# Altium PCB HW_RV_TOUCH_R1M1.PcbDoc (part 2 of 5) (continued)
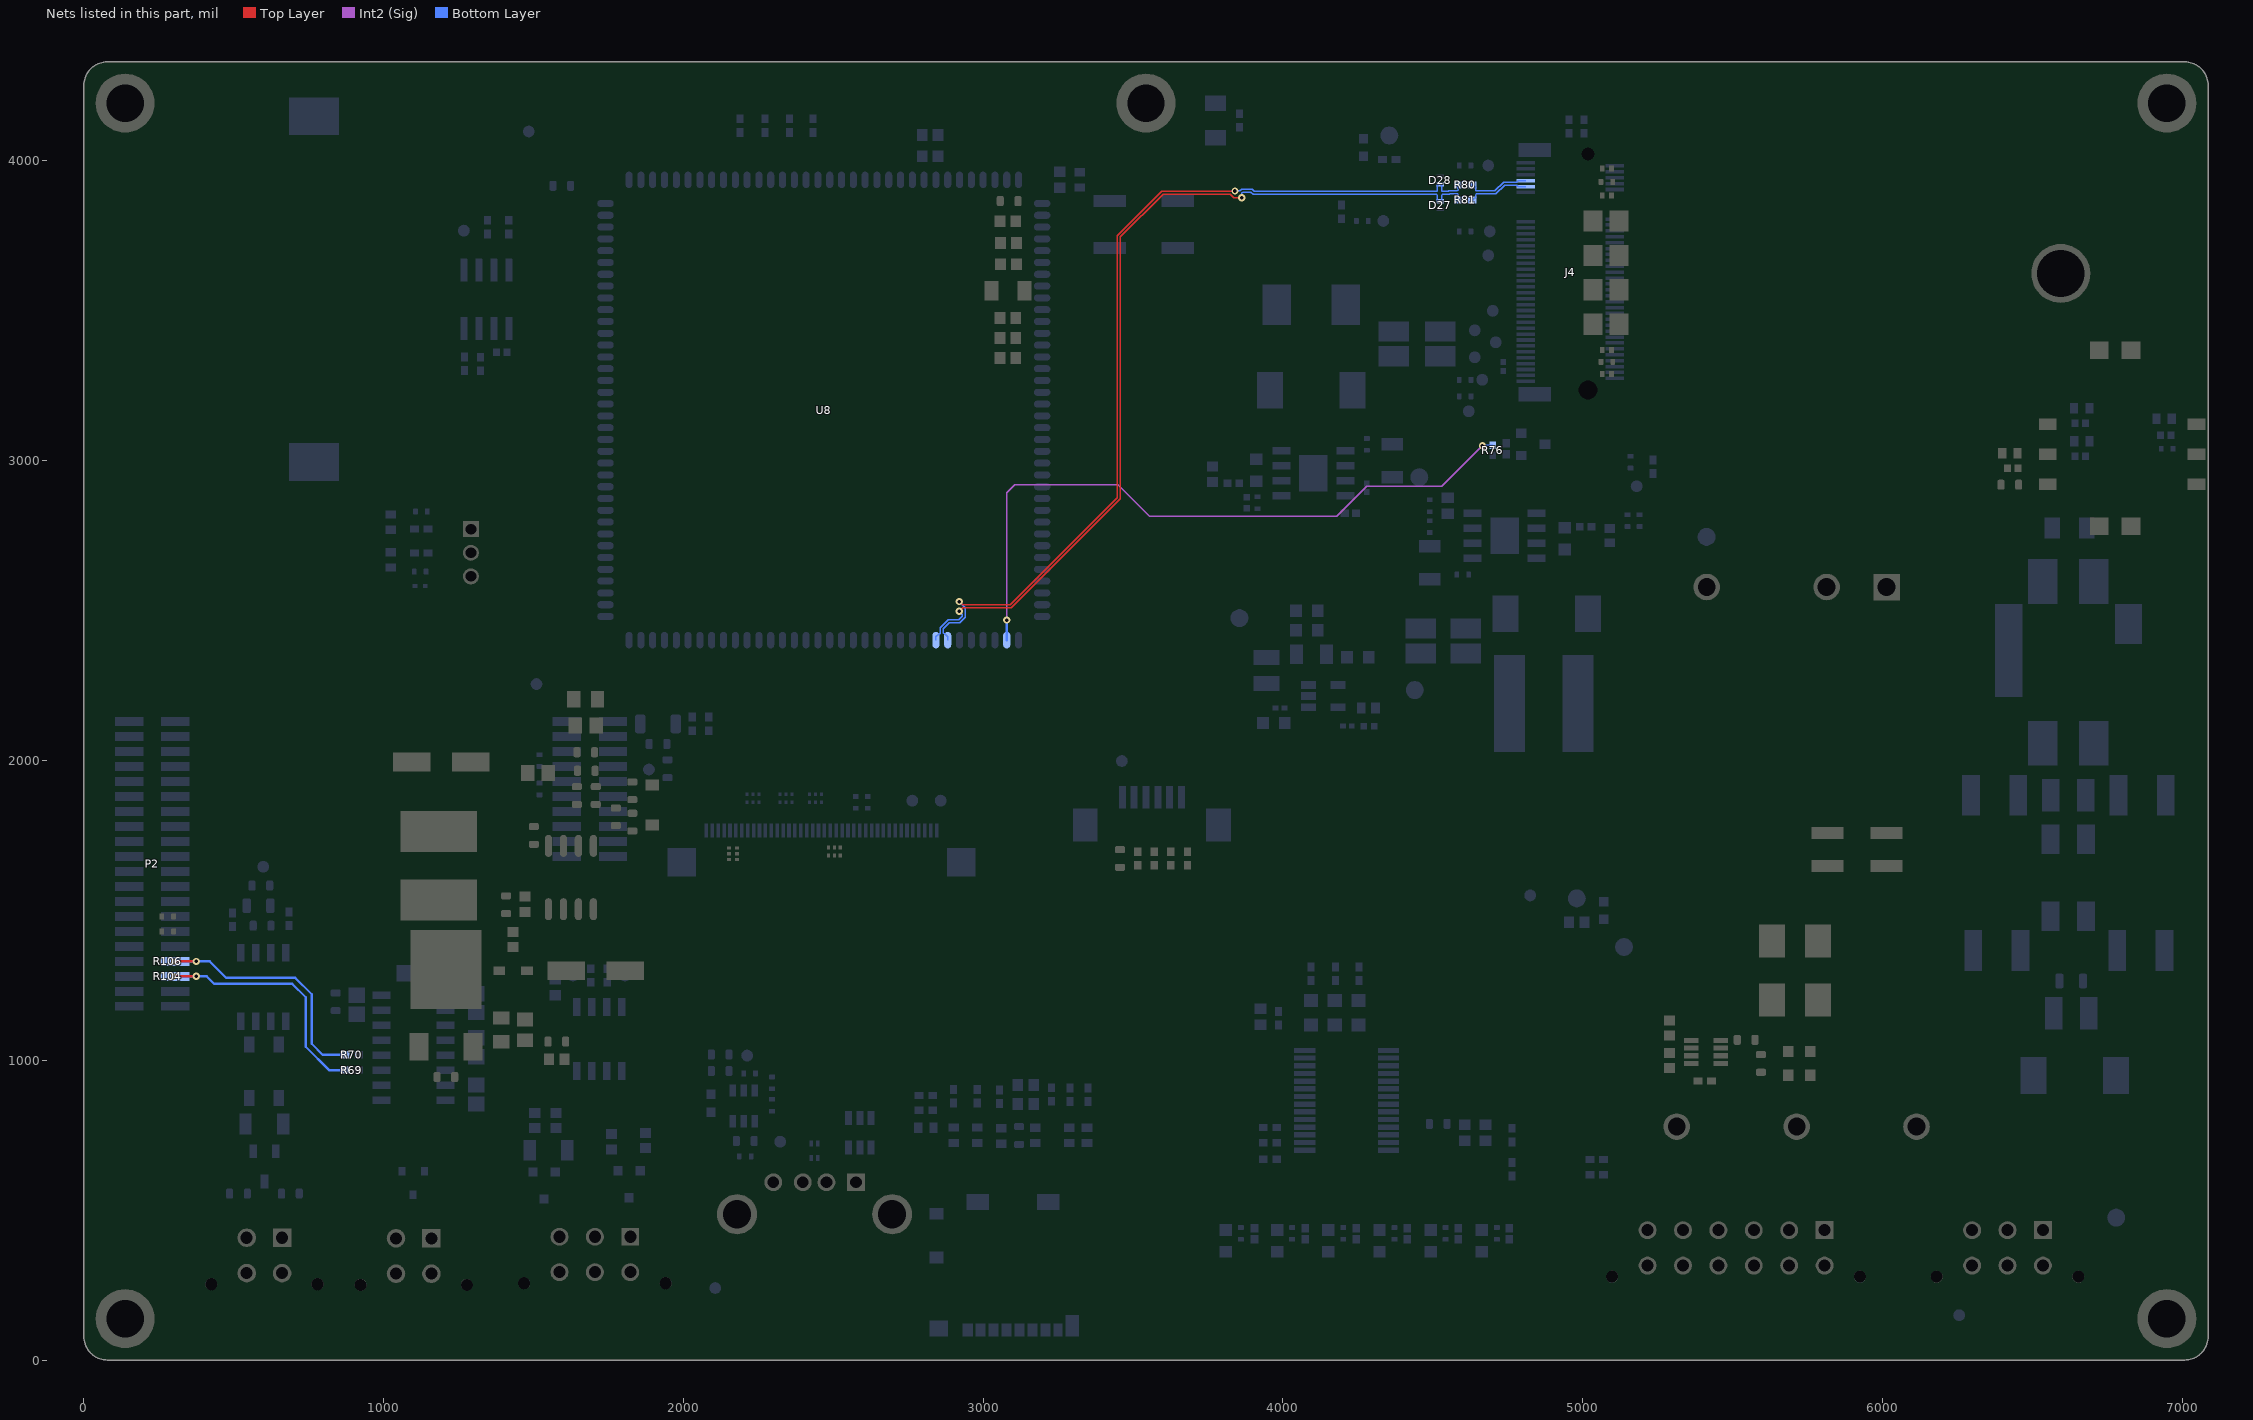
[diagram p6: the nets of this part, all layers, seen from the top]
## Part data (continued)
C74: library part 202R18W102KV4E, "CAP CER 1000PF 2KV X7R 1206", Part Number=202R18W102KV4E
C84 C85 C86 C87: library part CMP-2000-05396-3, "Multilayer Ceramic Capacitors 100uF ±20% 10V X5R SMD 1206", Case Code (Imperial)=1206, Case Code (Metric)=3216, Dielectric=X5R, Dielectric Material=Ceramic, Max Operating Temperature=85°C, Min Operating Temperature=-55°C, Package Quantity=1, Part Number=C3216X5R1A107M160AC, Tolerance=20%, Voltage=10V, Capacitance=100uF, Case/Package=1206, Construction=Flat, Depth=1.6mm, Height=1.6mm, Lead Free="Lead Free", Length=3.2mm, Mount="Surface Mount", Packaging="Tape and Reel", Radiation Hardening=No, REACH SVHC="No SVHC", Resistor Type=Ceramic, RoHS Compliant=Yes, series=C, Termination=SMD/SMT, Thickness=0.075inch, Voltage Rating=10V, Voltage Rating (DC)=10V, Weight=0.000571oz, Width=1.6mm
C90: library part CMP-13271-000387-1, "Cap Ceramic 10nF 50V X7R ±10% SMD 0402 +125°C Paper T/R", Case Code (Imperial)=0402, Case Code (Metric)=1005, Dielectric=X7R, Max Operating Temperature=125°C, Min Operating Temperature=-55°C, Package Quantity=1, Part Number=CL05B103KB5NNNC, Tolerance=10%, Voltage=50V, Capacitance=10nF, Case/Package=0402, Contact Plating=Tin, Depth=0.5mm, Height=0.5mm, Lead Free="Lead Free", Length=1mm, Material=Ceramic, Mount="Surface Mount", Packaging="Tape and Reel", Radiation Hardening=No, Thickness=0.022inch, Voltage Rating=50V, Voltage Rating (DC)=50V, Width=0.02inch
C97 C98: library part CMP-08246-001268-1, "Cap Ceramic 10pF 50V C0G 0.5pF Pad SMD 0402 +125°C Automotive T/R", Case Code (Imperial)=0402, Case Code (Metric)=1005, Dielectric=C0G, Max Operating Temperature=125°C, Min Operating Temperature=-55°C, Package Quantity=1, Part Number=CGA2B2C0G1H100D050BA, Ratings=AEC-Q200, Voltage Rating=50V, Capacitance=10pF, Case/Package=0402, Composition=Ceramic, Depth=0.5mm, Height=0.5mm, Lead Free="Lead Free", Length=1mm, Mount="Surface Mount", Packaging="Tape and Reel", REACH SVHC="No SVHC", Termination=SMD/SMT, Thickness=0.022inch, Voltage Rating (DC)=50V, Weight=2.3E-05oz, Width=0.5mm
D1: "TransZorb 1500 W 58 V 93.6 Vcl Bi-Directional SMT TVS Diode - DO-214AB", Manufacturer="Vishay Semiconductors", Supplier Part Number 1=SMCJ58CA-E3/57TGICT-ND, Category="TVS Diodes", ComponentLink1Description=https://datasheet.ciiva.com/4247/smcj50a-4247736.pdf?src-supplier=Arrow+Electronics, ComponentLink1URL=https://datasheet.ciiva.com/4247/smcj50a-4247736.pdf?src-supplier=Arrow+Electronics, ComponentLink2Description=https://datasheet.ciiva.com/340/smcj50a-340997.pdf?src-supplier=Digikey, ComponentLink2URL=https://datasheet.ciiva.com/340/smcj50a-340997.pdf?src-supplier=Digikey, ComponentLink3Description=https://datasheet.ciiva.com/340/smcj50a-340998.pdf?src-supplier=Digikey, ComponentLink3URL=https://datasheet.ciiva.com/340/smcj50a-340998.pdf?src-supplier=Digikey, ComponentLink4Description=https://datasheet.ciiva.com/340/smcj50a-340999.pdf?src-supplier=Digikey, ComponentLink4URL=https://datasheet.ciiva.com/340/smcj50a-340999.pdf?src-supplier=Digikey, ComponentLink5Description=https://datasheet.ciiva.com/4508/smcj50a-241829-4508847.pdf?src-supplier=Mouser, ComponentLink5URL=https://datasheet.ciiva.com/4508/smcj50a-241829-4508847.pdf?src-supplier=Mouser, Manufacturer Part Number=SMCJ58CA-E3/57T, Pricing 1="1=0.64, 10=0.545, 100=0.3792 (USD)", RoHS=Yes, Stock 1=1611, Supplier 1=Digikey
D2 D3: library part LTST-C191KGKT, "Green 571nm LED Indication - Discrete 2V 0603 (1608 Metric)", LCSC Manufacturer Part Number=150060VS75000, LCSC Part Number=150060VS75000, Manufacturer Part Number=150060VS75000, Order Code=150060VS75000
D6 D7 D8 D9 D10: library part PRTR5V0U2F, LCSC Part Number=C2937001, LCSC Manufacturer Part Number=PRTR5V0U2F, Manufacturer Part Number=PRTR5V0U2F, Order Code="LCSC: C2937001"
D11: library part SM24CANB-02HTG_TVS, "TVS DIODE 24VWM 50VC SOT23-3", LCSC Manufacturer Part Number=SM24CANB-02HTG, LCSC Part Number=C151237, Manufacturer Part Number=SM24CANB-02HTG, Order Code="DIGI : F6707CT-ND"
D12: library part LTST-C191KRKT, "Red 631nm LED Indication - Discrete 2V 0603 (1608 Metric)", LCSC Part Number=C125099, LCSC Manufacturer Part Number=LTST-C191KRKT, Manufacturer Part Number=LTST-C191KRKT, Order Code="Digi: 160-1447-2-ND"
D13: "Diode 30 V 100mA Surface Mount SOD-923", LCSC Manufacturer Part Number=1SS416,L3M(B, LCSC Part Number=C2943683, Manufacturer Part Number=1SS416,L3M, Order Code="Digi: 1SS416L3MTR-ND"
D14 D15 D18 D19 D20 D21 D22 D23 D24 D25 D29 D30 D31 D32: "VARISTOR 150V 0402", Manufacturer="TDK EPCOS", Supplier Part Number 1=495-3684-2-ND, Category=Varistors, ComponentLink1Description=https://datasheet.octopart.com/B72590D0050H160-EPCOS-datasheet-10468447.pdf?src-supplier=Newark, ComponentLink1URL=https://datasheet.octopart.com/B72590D0050H160-EPCOS-datasheet-10468447.pdf?src-supplier=Newark, ComponentLink2Description=https://en.tdk.eu/inf/75/ds/High_speed_series.pdf?src-supplier=Verical, ComponentLink2URL=https://en.tdk.eu/inf/75/ds/High_speed_series.pdf?src-supplier=Verical, ComponentLink3Description=http://www.farnell.com/datasheets/1706828.pdf?src-supplier=Newark, ComponentLink3URL=http://www.farnell.com/datasheets/1706828.pdf?src-supplier=Newark, ComponentLink4Description=https://en.tdk.eu/inf/75/ds/High_speed_series.pdf?src-supplier=Digikey, ComponentLink4URL=https://en.tdk.eu/inf/75/ds/High_speed_series.pdf?src-supplier=Digikey, ComponentLink5Description=https://www.tdk-electronics.tdk.com/inf/75/ds/High_speed_series.pdf?src-supplier=Digikey, ComponentLink5URL=https://www.tdk-electronics.tdk.com/inf/75/ds/High_speed_series.pdf?src-supplier=Digikey, ComponentLink6Description=https://en.tdk.eu/inf/75/ds/High_speed_series.pdf?src-supplier=Arrow+Electronics, ComponentLink6URL=https://en.tdk.eu/inf/75/ds/High_speed_series.pdf?src-supplier=Arrow+Electronics, ComponentLink7Description=https://en.tdk.eu/inf/75/ds/High_speed_series.pdf?src-supplier=Quest, ComponentLink7URL=https://en.tdk.eu/inf/75/ds/High_speed_series.pdf?src-supplier=Quest, ComponentLink8Description=https://datasheet.octopart.com/B72590D0050H160-EPCOS-datasheet-157245974.pdf?src-supplier=LKR, ComponentLink8URL=https://datasheet.octopart.com/B72590D0050H160-EPCOS-datasheet-157245974.pdf?src-supplier=LKR, ComponentLink9Description=https://en.tdk.eu/inf/75/ds/High_speed_series.pdf?src-supplier=TTI, ComponentLink9URL=https://en.tdk.eu/inf/75/ds/High_speed_series.pdf?src-supplier=TTI, Manufacturer Part Number=B72590D0050H160, Pricing 1="10000=0,04977, 30000=0,04666, 50000=0,04137, 100000=0,04044, 250000=0,03982 (USD)", RoHS=Yes, Stock 1=130000, Supplier 1=Digikey
D16: library part BS140WS-7, "Diode 40 V 1A Surface Mount SOD-323", LCSC Manufacturer Part Number=B140WS-7, LCSC Part Number=C95171, Manufacturer Part Number=B140WS-7, Order Code="Digi: B140WS-7DITR-ND"
D17: library part 1N4148W_R2_00001, Manufacturer Part Number=1N4148W_R2_00001
D26: "37V Clamp 5A (8/20µs) Ipp Tvs Diode Surface Mount TO-236AB", Current - Peak Pulse (10/1000µs)=5A, Manufacturer="Nexperia USA Inc.", Voltage - Clamping (Max) @ Ipp=37V, Manufacturer Part Number=PESD12VL2BT,215
D27 D28: library part CMP-08607-000062-1, "TVS DIODE 7V 10V 0402", Breakdown Voltage=9.8V, Capacitance=0.1pF, Clamping Voltage=10V, Manufacturer=Littelfuse, Package=SESD0402, Peak Pulse Current=2A, Reverse Standoff Voltage=7V, Temperature="-55°C to +125°C", Temperature Range High=+125°C, Temperature Range Low=-55°C, Automotive=Yes, Automotive Grade="Grade 1", Category=Diode, ComponentLink2Description=Datasheet, ComponentLink2URL=https://www.littelfuse.com/~/media/electronics/datasheets/tvs_diode_arrays/littelfuse_tvs_diode_array_sesd_ultra_low_capacitance_discrete_tvs_datasheet.pdf.pdf, Device Class L1="Circuit Protection", Device Class L2="TVS Diodes", Device Class L3=unset, Digikey Description="TVS DIODE 7V 10V 0402", Direction=Bidirectional, Height=0.43mm, Lead Free=Yes, Manufacturer Part Number=RF2945-000, Number Of Channels=1, Octopart=https://octopart.com/rf2945-000-littelfuse-56516902, RoHS=TRUE, Standoff Height=0mm
D33: library part LED0805_RED, "SMD mono-color Chip LED, WL-SMCW, Red", Color=Red, Manufacturer="Wuerth Elektronik", Manufacturer Part Number=150080RS75000, ComponentLink1Description="Manufacturer URL", ComponentLink1URL=http://www.we-online.com, ComponentLink2Description=Datasheet, ComponentLink2URL=http://katalog.we-online.com/led/datasheet/150080RS75000.pdf, PackageReference=0805_A
D34: library part LED0805_GREEN, "Green 570nm LED Indication - Discrete 2.1V 0805 (2012 Metric)", Color=Red, Manufacturer="Visual Communications Company - VCC", Manufacturer Part Number=CMD17-21VGC/TR8, ComponentLink1Description="Manufacturer URL", ComponentLink1URL=http://www.we-online.com, ComponentLink2Description=Datasheet, ComponentLink2URL=http://katalog.we-online.com/led/datasheet/150080RS75000.pdf, PackageReference=0805_A
D35: library part LED0805_BLUE, "Blue 470nm LED Indication - Discrete 3V 0805 (2012 Metric)", Color=Red, Manufacturer=Inolux, Manufacturer Part Number=IN-S85AT5B, ComponentLink1Description="Manufacturer URL", ComponentLink1URL=http://www.we-online.com, ComponentLink2Description=Datasheet, ComponentLink2URL=http://katalog.we-online.com/led/datasheet/150080RS75000.pdf, PackageReference=0805_A
D36 D37: Manufacturer_Name="Diodes Incorporated", Mouser Part Number=621-B560C-F, Arrow Part Number=B560C-13-F, Arrow Price/Stock=https://www.arrow.com/en/products/b560c-13-f/diodes-incorporated?utm_currency=USD&region=nac, Datasheet Link=https://datasheet.lcsc.com/szlcsc/Diodes-Incorporated-B560C-13-F_C85100.pdf, Height=2.5mm, Manufacturer_Part_Number=B560C-13-F, Mouser Price/Stock=https://www.mouser.co.uk/ProductDetail/Diodes-Incorporated/B560C-13-F?qs=OC0R%252Bhozcm%252BAsjMXklZLIw%3D%3D
FB1 FB2 FB4 FB5 FB8 FB9: library part FB0603_100OHM_100MHz, "100 Ohms @ 100 MHz 1 Power Line Ferrite Bead 0603 (1608 Metric) 2A 40mOhm", Case Code (Imperial)=0603, Case Code (Metric)=1608, Current Rating=2A, DC Resistance (DCR)=40mR, LCSC Manufacturer Part Number=MPZ1608Y101BTA00, LCSC Part Number=C501996, Manufacturer=TDK, Package Quantity=4000, Supplier Part Number 1=445-2984-1-ND, Tolerance=25%, Case/Package=0603, Category="Ferrite Beads and Chips", ComponentLink1Description=Datasheet, ComponentLink1URL=https://chn-vm-apps.microchip.com/mchprepo/parts/Datasheets/beads_commercial_power_mpz_en.pdf, ComponentLink2Description=https://datasheet.ciiva.com/46634/beads-commercial-power-mpz-en-46634677.pdf?src-supplier=Digi-Key, ComponentLink2URL=https://datasheet.ciiva.com/46634/beads-commercial-power-mpz-en-46634677.pdf?src-supplier=Digi-Key, ComponentLink3Description=https://datasheet.ciiva.com/48682/beads-commercial-power-mpz-en-48682501.pdf?src-supplier=Avnet, ComponentLink3URL=https://datasheet.ciiva.com/48682/beads-commercial-power-mpz-en-48682501.pdf?src-supplier=Avnet, ComponentLink4Description=https://datasheet.ciiva.com/46634/beads-commercial-power-mpz-en-46634684.pdf?src-supplier=Digi-Key, ComponentLink4URL=https://datasheet.ciiva.com/46634/beads-commercial-power-mpz-en-46634684.pdf?src-supplier=Digi-Key, ComponentLink5Description=https://datasheet.ciiva.com/46634/beads-commercial-power-mpz-en-46634621.pdf?src-supplier=Digi-Key, ComponentLink5URL=https://datasheet.ciiva.com/46634/beads-commercial-power-mpz-en-46634621.pdf?src-supplier=Digi-Key, Core Material=Ferrite, Height=0.037inch, Impedance=100R, Length=0.063inch, Manufacturer Part Number=MPZ1608Y101BTA00, Max DC Current=2A, Mount="Surface Mount", Packaging="Tape and Reel", Pricing 1="1=0,10000, 10=0,07200, 25=0,06480, 50=0,05840, 100=0,04290, 250=0,03120, 500=0,02860, 1000=0,02470 (USD)", REACH SVHC="No SVHC", RoHS=Yes, RoHS Compliant=Yes, series=MPZ, Stock 1=551, Supplier 1=Digi-Key, Width=0.031inch
FB3 FB6: library part FB0603_120R@100MHz, "120 Ohms @ 100 MHz 1 Power Line Ferrite Bead 0603 (1608 Metric) 3A 30mOhm", LCSC Manufacturer Part Number=BLM18KG121TH1D, LCSC Part Number=C437404, Manufacturer Part Number=BLM18KG121TH1D, Order Code=Digi:490-13261-2-ND
FL1: library part ACM7060-701-2PL-TL01, "2 Line Common Mode Choke Surface Mount 700 Ohms @ 100 MHz 4A DCR 15mOhm", LCSC Part Number=C78246, LCSC Manufacturer Part Number=ACM7060-701-2PL-TL01, Manufacturer Part Number=ACM7060-701-2PL-TL01, Order Code="Digi: 445-2215-2-ND"
GND TP8 TP10 TP11 TP12 TP13 TP14 TP15 TP18 TP19 TP20 TP21 TP22 TP23 TP24 TP25 TP26 TP27 TP28 TP29 TP30 TP31 TP32 TP33 TP35 TP36: library part TP_1
IC1: "48-V, 16-bit high-precision I²C output digital power monitor with alert 8-SOT-23-THIN -40 to 125", Manufacturer="Texas Instruments", Supplier Part Number 1=296-INA232BIDDFRCT-ND, Manufacturer Part Number=INA232BIDDFR, Pricing 1="1=2.5, 10=2.248, 25=2.1208, 100=1.8071, 250=1.6968, 500=1.4847, 1000=1.23018 (USD)", RoHS=No, Stock 1=8755, Supplier 1=Digikey
IC3: "ST3232B Series 5.5 V 400 kbps Low Power RS-232 Drivers and Receiver - SOIC-16", Manufacturer=STMicroelectronics, Supplier Part Number 1=497-6533-2-ND, Category="Interface ICs", ComponentLink1Description=https://datasheet.ciiva.com/5825/1766333-5825810.pdf?src-supplier=Farnell, ComponentLink1URL=https://datasheet.ciiva.com/5825/1766333-5825810.pdf?src-supplier=Farnell, ComponentLink2Description=https://datasheet.ciiva.com/16391/st3232bdr-16391763.pdf?src-supplier=Future+Electronics, ComponentLink2URL=https://datasheet.ciiva.com/16391/st3232bdr-16391763.pdf?src-supplier=Future+Electronics, ComponentLink3Description=https://datasheet.ciiva.com/1701/cd00002253-1701454.pdf?src-supplier=Digikey, ComponentLink3URL=https://datasheet.ciiva.com/1701/cd00002253-1701454.pdf?src-supplier=Digikey, ComponentLink4Description=https://datasheet.ciiva.com/1701/cd00002253-1701455.pdf?src-supplier=Digikey, ComponentLink4URL=https://datasheet.ciiva.com/1701/cd00002253-1701455.pdf?src-supplier=Digikey, ComponentLink5Description=https://datasheet.ciiva.com/1701/cd00002253-1701456.pdf?src-supplier=Digikey, ComponentLink5URL=https://datasheet.ciiva.com/1701/cd00002253-1701456.pdf?src-supplier=Digikey, Manufacturer Part Number=ST3232BDR, Pricing 1="2500=0.84878, 5000=0.81734, 12500=0.78591 (USD)", RoHS=Yes, Stock 1=10000, Supplier 1=Digikey
IC4: "Integrated Circuit", Arrow Part Number=MCP23017T-E/SS, Manufacturer_Name=Microchip, Mouser Part Number=579-MCP23017T-E/SS, Arrow Price/Stock=https://www.arrow.com/en/products/mcp23017t-ess/microchip-technology?region=nac, Datasheet Link=https://datasheet.datasheetarchive.com/originals/distributors/SFDatasheet-4/sf-00090057.pdf, Height=2mm, Manufacturer_Part_Number=MCP23017T-E/SS, Mouser Price/Stock=https://www.mouser.co.uk/ProductDetail/Microchip-Technology/MCP23017T-E-SS?qs=usxtMOJb1Rz2FhASIaFluQ%3D%3D
IC5 IC6: "Integrated Circuit", Manufacturer_Name="Texas Instruments", Mouser Part Number=595-TPS54540BQDDARQ1, Arrow Part Number=TPS54540BQDDARQ1, Arrow Price/Stock=https://www.arrow.com/en/products/tps54540bqddarq1/texas-instruments?utm_currency=USD&region=nac, Datasheet Link=http://www.ti.com/lit/gpn/tps54540b-q1, Height=1.7mm, Manufacturer_Part_Number=TPS54540BQDDARQ1, Mouser Price/Stock=https://www.mouser.co.uk/ProductDetail/Texas-Instruments/TPS54540BQDDARQ1?qs=Mv7BduZupUh5p%252BrvdCEqBg%3D%3D
IC7: "Integrated Circuit", Manufacturer_Name=RICHTEK, Datasheet Link=http://www.farnell.com/datasheets/1756324.pdf, Height=1mm, Manufacturer_Part_Number=RT8059GJ5
J1: library part 54104-4031, "Conn FFC/FPC Connector SKT 40 POS 0.5mm Solder RA SMD Easy-On™ T/R", Actuator Color=Brown, Contact Resistance=20mR, Current Rating=500mA, Flammability Rating="UL94 V-0", Housing Color=Natural, Manufacturer=Molex, Max Operating Temperature=85°C, Min Operating Temperature=-20°C, Package Quantity=1500, Supplier Part Number 1=538-54104-4031, Voltage Rating=50V, Actuator Material=Glass,Polyphenylene, Category="FFC / FPC", Contact Location=Top, Contact Material=Bronze, Contact Plating=Unplated,Gold, Depth=5.6mm, ELV=5681ELVCompliant, Gender=Receptacle, Housing Material=Nylon, Length=25.5mm, Manufacturer Part Number=54104-4031, Material=150ConductorMaterial, Mating Cycles=20, Mount="Surface Mount", Number of Circuits=40NUMBER, Number of Contacts=40, Number of Positions=40, Number of Rows=1, Orientation="Right Angle", Packaging="Tape and Reel", Pitch=0.5mm, Plating=157ConductorMaterial, Pricing 1="1=3,22, 10=2,84, 50=2,84, 100=2,03, 1000=2,03, 10000=1,76 (USD)", Radiation Hardening=No, Reach SVHC Compliant=Unknown, RoHS=Yes, RoHS Compliant=Yes, series=54104, Stackable=5898YesNo, Stock 1=10870, Supplier 1=Mouser, Termination=Solder, Wire/Cable Type=Straight
J2: library part 52271-0679, "FFC/FPC SMT SER 1mm Pitch 6Way RightAngle SMT Female FPC Conn; ZIF Bottom Contact", Manufacturer=Molex, Supplier Part Number 1=538-52271-0679, Category="FFC / FPC", ComponentLink1Description=https://datasheet.ciiva.com/27051/1301235-27051913.pdf?src-supplier=Jameco, ComponentLink1URL=https://datasheet.ciiva.com/27051/1301235-27051913.pdf?src-supplier=Jameco, ComponentLink2Description=https://datasheet.ciiva.com/5136/0522710679-ffc-fpc-connectors-149405-5136769.pdf?src-supplier=Mouser, ComponentLink2URL=https://datasheet.ciiva.com/5136/0522710679-ffc-fpc-connectors-149405-5136769.pdf?src-supplier=Mouser, ComponentLink3Description=https://datasheet.ciiva.com/30226/212340522710679-ffc-fpc-nectors-30226867.pdf?src-supplier=Onlinecomponents.com, ComponentLink3URL=https://datasheet.ciiva.com/30226/212340522710679-ffc-fpc-nectors-30226867.pdf?src-supplier=Onlinecomponents.com, ComponentLink4Description=https://datasheet.ciiva.com/10034/0522710679-ffc-fpc-connectors-10034899.pdf?src-supplier=Avnet, ComponentLink4URL=https://datasheet.ciiva.com/10034/0522710679-ffc-fpc-connectors-10034899.pdf?src-supplier=Avnet, ComponentLink5Description=https://datasheet.ciiva.com/16123/203510522710679-ffc-fpc-nectors-16123334.pdf?src-supplier=Onlinecomponents.com, ComponentLink5URL=https://datasheet.ciiva.com/16123/203510522710679-ffc-fpc-nectors-16123334.pdf?src-supplier=Onlinecomponents.com, ComponentLink6Description=https://datasheet.ciiva.com/8038/704159-8038352.pdf?src-supplier=Element14, ComponentLink6URL=https://datasheet.ciiva.com/8038/704159-8038352.pdf?src-supplier=Element14, ComponentLink7Description=https://datasheet.ciiva.com/11745/0900766b8078fc42-11745220.pdf?src-supplier=Rs, ComponentLink7URL=https://datasheet.ciiva.com/11745/0900766b8078fc42-11745220.pdf?src-supplier=Rs, ComponentLink8Description=https://datasheet.ciiva.com/14483/704159-14483351.pdf?src-supplier=Farnell, ComponentLink8URL=https://datasheet.ciiva.com/14483/704159-14483351.pdf?src-supplier=Farnell, Manufacturer Part Number=52271-0679, Pricing 1="1=1,1, 10=0,906, 50=0,906, 100=0,755, 1000=0,604, 10000=0,491 (USD)", RoHS=Yes, Stock 1=7632, Supplier 1=Mouser
J3: "1.10mm Pitch microSD Memory Card Connector, SMT, Push-Pull Type, 1.42mm Height, with Detect Switch", Manufacturer=Molex, Max Operating Temperature=85°C, Min Operating Temperature=-25°C, Supplier Part Number 1=WM6357TR-ND, Category="Memory Connectors", ComponentLink1Description=https://datasheet.ciiva.com/4581/1040310811-memory-card-socket-153593-4581012.pdf?src-supplier=Mouser, ComponentLink1URL=https://datasheet.ciiva.com/4581/1040310811-memory-card-socket-153593-4581012.pdf?src-supplier=Mouser, ComponentLink2Description=https://datasheet.ciiva.com/683/1040310811-sd-683579.pdf?src-supplier=Digikey, ComponentLink2URL=https://datasheet.ciiva.com/683/1040310811-sd-683579.pdf?src-supplier=Digikey, ComponentLink3Description=https://datasheet.ciiva.com/16655/1040310811-memory-card-socket-16655292.pdf?, ComponentLink3URL=https://datasheet.ciiva.com/16655/1040310811-memory-card-socket-16655292.pdf?, ComponentLink4Description=https://datasheet.ciiva.com/3121/1040310811-memory-card-socket-3121437.pdf?src-supplier=Avnet, ComponentLink4URL=https://datasheet.ciiva.com/3121/1040310811-memory-card-socket-3121437.pdf?src-supplier=Avnet, ComponentLink5Description=https://datasheet.ciiva.com/683/1040310811-sd-683580.pdf?src-supplier=Digikey, ComponentLink5URL=https://datasheet.ciiva.com/683/1040310811-sd-683580.pdf?src-supplier=Digikey, ComponentLink6Description=https://datasheet.ciiva.com/683/1040310811-sd-683581.pdf?src-supplier=Digikey, ComponentLink6URL=https://datasheet.ciiva.com/683/1040310811-sd-683581.pdf?src-supplier=Digikey, ComponentLink7Description=https://datasheet.ciiva.com/15174/getdatasheetpartid-716154-15174887.pdf?src-supplier=Verical, ComponentLink7URL=https://datasheet.ciiva.com/15174/getdatasheetpartid-716154-15174887.pdf?src-supplier=Verical, Contact Material=Bronze, Contact Plating=Gold, Depth=11.4mm, Gender=Female, Halogen Free="Low Halogen", Housing Material=Polymer, Length=11.14mm, Manufacturer Part Number=1040310811, Mount="Surface Mount", Number of Circuits=8, Number of Contacts=8, Number of Rows=1, Orientation="Right Angle", Packaging="Tape and Reel", Pitch=1.1mm, Pricing 1="2000=1.20529, 4000=1.16372, 6000=1.10554 (USD)", Radiation Hardening=No, Reach SVHC Compliant=Unknown, RoHS=Yes, series=103041, Stock 1=36000, Supplier 1=Digikey, Termination=Solder, Width=11.4mm
J4: "Conn Power Card Edge Socket 67 POS 0.5mm Solder RA SMD T/R", Color=Black, Contact Current Rating=500mA, Insulation Resistance=500MR, Manufacturer="TE Connectivity", Max Operating Temperature=80°C, Min Operating Temperature=-40°C, Operating Supply Voltage=50V, Package Quantity=1200, Category="Card Edge Connectors", Circuit Application=313ConnectorType, ComponentLink1Description=https://datasheet.ciiva.com/18495/eng-cd-2199119-c-c-2199119-c-18495968.pdf?src-supplier=Digikey, ComponentLink1URL=https://datasheet.ciiva.com/18495/eng-cd-2199119-c-c-2199119-c-18495968.pdf?src-supplier=Digikey, ComponentLink2Description=https://datasheet.ciiva.com/32373/eng-ds-1-1773702-1ngffqrg-en-0513-1-1773702-1-ngff-qrg-en-32373486.pdf?src-supplier=Onlinecomponents.com, ComponentLink2URL=https://datasheet.ciiva.com/32373/eng-ds-1-1773702-1ngffqrg-en-0513-1-1773702-1-ngff-qrg-en-32373486.pdf?src-supplier=Onlinecomponents.com, ComponentLink3Description=https://datasheet.ciiva.com/18495/eng-cd-2199119-c-c-2199119-c-18495966.pdf?src-supplier=Digikey, ComponentLink3URL=https://datasheet.ciiva.com/18495/eng-cd-2199119-c-c-2199119-c-18495966.pdf?src-supplier=Digikey, ComponentLink4Description=https://datasheet.ciiva.com/18495/eng-cd-2199119-c-c-2199119-c-18495967.pdf?src-supplier=Digikey, ComponentLink4URL=https://datasheet.ciiva.com/18495/eng-cd-2199119-c-c-2199119-c-18495967.pdf?src-supplier=Digikey, ComponentLink5Description=https://datasheet.ciiva.com/45228/eng-cd-2199119-b1-45228583.pdf?src-supplier=Avnet, ComponentLink5URL=https://datasheet.ciiva.com/45228/eng-cd-2199119-b1-45228583.pdf?src-supplier=Avnet, ComponentLink6Description=https://datasheet.ciiva.com/24089/eng-ds-1-1773702-1ngffqrg-en-0513-1-1773702-1-ngff-252877-24089929.pdf?src-supplier=Mouser, ComponentLink6URL=https://datasheet.ciiva.com/24089/eng-ds-1-1773702-1ngffqrg-en-0513-1-1773702-1-ngff-252877-24089929.pdf?src-supplier=Mouser, Contact Material="Copper Alloy", Contact Plating=Gold,Matte, Contact Type=-, Current Rating=500mA, ELV=5681ELVCompliant, Gender=Female, Height=3.2mm, Housing Color=Black, Housing Material=Thermoplastic, Insulation Material=Thermoplastic, Length=0.862inch, Manufacturer Part Number=2199119-3, Mounting Technology="Surface Mount", Number of Contacts=67, Number of Positions=67, Number of Rows=2, Packaging="Tape and Reel", Part Number=2199119-3, PCB Mounting Orientation="Right Angle", Pitch=0.5mm, Plating=157ConductorMaterial, Pricing="1200=0.83929, 2400=0.83264, 4800=0.8263, 7200=0.81996, 9600=0.81362 (USD)", Radiation Hardening=No, Reach SVHC Compliant=Unknown, RoHS=Yes, RoHS Compliant=Yes, Row Spacing=7.55mm, series=-, Stock=40583, Supplier=Avnet, Termination=Solder, Voltage Rating=50V, Width=8.7mm
J5: "WR-CRD Mini SIM Card Connector Header Shielded", Manufacturer="Wurth Electronics", Supplier Part Number 1=732-3814-2-ND, Category="Memory Connectors", ComponentLink1Description=https://datasheet.ciiva.com/25605/0900766b81113f2a-25605361.pdf?src-supplier=Rs, ComponentLink1URL=https://datasheet.ciiva.com/25605/0900766b81113f2a-25605361.pdf?src-supplier=Rs, ComponentLink2Description=https://datasheet.ciiva.com/1104/693010020611-1104791.pdf?src-supplier=Element14, ComponentLink2URL=https://datasheet.ciiva.com/1104/693010020611-1104791.pdf?src-supplier=Element14, ComponentLink3Description=https://datasheet.ciiva.com/6934/693010020611-6934683.pdf?src-supplier=Digikey, ComponentLink3URL=https://datasheet.ciiva.com/6934/693010020611-6934683.pdf?src-supplier=Digikey, ComponentLink4Description=https://datasheet.ciiva.com/6934/693010020611-6934685.pdf?src-supplier=Digikey, ComponentLink4URL=https://datasheet.ciiva.com/6934/693010020611-6934685.pdf?src-supplier=Digikey, ComponentLink5Description=https://datasheet.ciiva.com/6934/693010020611-6934687.pdf?src-supplier=Digikey, ComponentLink5URL=https://datasheet.ciiva.com/6934/693010020611-6934687.pdf?src-supplier=Digikey, ComponentLink6Description=https://datasheet.ciiva.com/48686/001088834-da-01-en-wr-crd-sim-kartensockel-693010020611-48686971.pdf?src-supplier=Conrad, ComponentLink6URL=https://datasheet.ciiva.com/48686/001088834-da-01-en-wr-crd-sim-kartensockel-693010020611-48686971.pdf?src-supplier=Conrad, Manufacturer Part Number=693010020611, Pricing 1="1000=1.04 (USD)", RoHS=Yes, Stock 1=1000, Supplier 1=Digikey
J6 J10: "Conn Wire to Board HDR 6 POS 3mm Solder ST Thru-Hole Micro-Fit 3.0™ Tray", Contact Resistance=10mR, Current Rating=5A, Manufacturer=Molex, Max Operating Temperature=105°C, Max Voltage Rating (DC)=250.25kV, Min Operating Temperature=-40°C, Package Quantity=1728, Supplier Part Number 1=WM10673-ND, Voltage Rating=250V, Category="Headers and Wire Housings", Contact Material=Brass, Contact Plating=Tin, Gender=Male, Glow Wire Compliant=Compliant, Halogen Free="Low Halogen", Housing Material=Thermoplastic, Manufacturer Part Number=43045-0627, Mount="Through Hole", Number of Circuits=6, Number of Contacts=6, Number of Positions=6, Number of Rows=2, Orientation=Vertical, Packaging=Tray, Pitch=3mm, Pricing 1="1=1.19, 10=0.983, 80=0.81888, 1728=0.61417, 3456=0.5937 (USD)", Reach SVHC Compliant=No, RoHS=Yes, RoHS Compliant=Yes, Row Spacing=3mm, series=43045, Stock 1=9980, Supplier 1=Digikey, Termination=Solder
J7 J11: library part MicroFit_2x2_VERT, "Connector Header Through Hole 4 position 0.118\" (3.00mm)", Manufacturer=Molex, Manufacturer Part Number=0430450427
J8: library part B3B-PH-K-S_LF__SN_, "Connector", LCSC Part Number=C131339, Manufacturer_Name="JST (JAPAN SOLDERLESS TERMINALS)", Arrow Part Number=B3B-PH-K-S(LF)(SN), Arrow Price/Stock=https://www.arrow.com/en/products/b3b-ph-k-s-lf-sn/jst-manufacturing, Datasheet Link=http://www.jst-mfg.com/product/pdf/eng/ePH.pdf, Height=6mm, LCSC Manufacturer Part Number=B3B-PH-K-S(LF)(SN), Manufacturer_Part_Number=B3B-PH-K-S(LF)(SN)
J9: "USB 2.0, Input Output Connector, USB Type A, Standard, Right Angle, Through Hole, Single Decks, 4 Positions", Manufacturer="Amphenol ICC / FCI", Supplier Part Number 1=609-1045-ND, Category="USB Connectors", ComponentLink1Description=https://datasheet.octopart.com/87520-0010BLF-Areva-datasheet-144648.pdf?src-supplier=Digikey, ComponentLink1URL=https://datasheet.octopart.com/87520-0010BLF-Areva-datasheet-144648.pdf?src-supplier=Digikey, ComponentLink2Description=https://datasheet.octopart.com/87520-0010BLF-Areva-datasheet-154125.pdf?src-supplier=Mouser, ComponentLink2URL=https://datasheet.octopart.com/87520-0010BLF-Areva-datasheet-154125.pdf?src-supplier=Mouser, ComponentLink3Description=https://datasheet.octopart.com/87520-0010BLF-Amphenol-Communications-Solutions-datasheet-13707174.pdf?src-supplier=Farnell, ComponentLink3URL=https://datasheet.octopart.com/87520-0010BLF-Amphenol-Communications-Solutions-datasheet-13707174.pdf?src-supplier=Farnell, ComponentLink4Description=https://datasheet.octopart.com/87520-0010BLF-Areva-datasheet-21380287.pdf?src-supplier=Element14, ComponentLink4URL=https://datasheet.octopart.com/87520-0010BLF-Areva-datasheet-21380287.pdf?src-supplier=Element14, ComponentLink5Description=https://datasheet.octopart.com/87520-0010BLF-Areva-datasheet-10049120.pdf?src-supplier=Newark, ComponentLink5URL=https://datasheet.octopart.com/87520-0010BLF-Areva-datasheet-10049120.pdf?src-supplier=Newark, ComponentLink6Description=https://datasheet.octopart.com/87520-0010BLF-Amphenol-Communications-Solutions-datasheet-168215140.pdf?src-supplier=TME, ComponentLink6URL=https://datasheet.octopart.com/87520-0010BLF-Amphenol-Communications-Solutions-datasheet-168215140.pdf?src-supplier=TME, ComponentLink7Description=https://datasheet.octopart.com/87520-0010BLF-Amphenol-Communications-Solutions-datasheet-100449257.pdf?src-supplier=Electro+Sonic, ComponentLink7URL=https://datasheet.octopart.com/87520-0010BLF-Amphenol-Communications-Solutions-datasheet-100449257.pdf?src-supplier=Electro+Sonic, Manufacturer Part Number=87520-0010BLF, Pricing 1="1=0.95, 10=0.806, 42=0.7569, 84=0.72393, 252=0.65813, 504=0.5923, 1008=0.52649, 2520=0.47713 (USD)", RoHS=No, Stock 1=17622, Supplier 1=Digikey
J12: library part 43045-1227, "Conn Power HDR 12 POS 3mm Solder ST Thru-Hole 12 Terminal 1 Port Micro-Fit 3.0™ Frame", Current Rating=5A, Manufacturer=Molex, Package Quantity=1008, Supplier Part Number 1=WM10697-ND, Voltage Rating=600V, Category="Headers and Wire Housings", ComponentLink1Description=https://datasheet.ciiva.com/13676/0430451227-pcb-headers-143012-13676689.pdf?src-supplier=Mouser, ComponentLink1URL=https://datasheet.ciiva.com/13676/0430451227-pcb-headers-143012-13676689.pdf?src-supplier=Mouser, ComponentLink2Description=https://datasheet.ciiva.com/7814/1629779-7814795.pdf?src-supplier=Element14, ComponentLink2URL=https://datasheet.ciiva.com/7814/1629779-7814795.pdf?src-supplier=Element14, Contact Material=Brass, Contact Plating=Tin, Gender=Male, Glow Wire Compliant=Compliant, Halogen Free="Low Halogen", Housing Material=Thermoplastic, Manufacturer Part Number=43045-1227, Number of Circuits=12, Number of Contacts=12, Number of Positions=12, Number of Rows=2, Orientation=Vertical, Packaging=Tray, Pitch=3mm, Pricing 1="1=2.93, 10=2.578, 80=2.05088, 1008=1.69926, 3024=1.58207 (USD)", RoHS=Yes, RoHS Compliant=Yes, Row Spacing=3mm, series=43045, Stock 1=5235, Supplier 1=Digikey, Termination="Through Hole"
L2: library part MCZ1210AH900L2T, "2 Line Common Mode Choke Surface Mount 90 Ohms @ 100 MHz 100mA DCR 1.75Ohm", LCSC Manufacturer Part Number=MCZ1210AH900L2TD0G, LCSC Part Number=C435268, Manufacturer Part Number=MCZ1210AH900L2TA0G, Order Code="Digi: 445-MCZ1210AH900L2TA0GTR-ND"
L3: "FIXED IND 180UH 910MA 490MOHM SM", Manufacturer_Name=Bourns, Mouser Part Number=652-SRN8040TA-181M, Arrow Part Number=SRN8040TA-181M, Arrow Price/Stock=https://www.arrow.com/en/products/srn8040ta-181m/bourns?region=nac, Datasheet Link=http://www.bourns.com/docs/Product-Datasheets/SRN8040TA.pdf, Height=4.5mm, Manufacturer_Part_Number=SRN8040TA-181M, Mouser Price/Stock=https://www.mouser.co.uk/ProductDetail/Bourns/SRN8040TA-181M?qs=Vt59ZOdFuWYBehGVtqRu4w%3D%3D
L4: library part CMP-02424-000538-1, "Commercial Inductors, High Saturation Series 4.7uH 5.5A 40mΩ 20%", Case Code (Imperial)=2525, Case Code (Metric)=6363, Current Rating=5.5A, DC Resistance (DCR)=40mR, Inductance=4.7uH, Inductance Tolerance=20%, Max DC Current=10A, Max Operating Temperature=125°C, Min Operating Temperature=-55°C, Package Quantity=2000, Self Resonant Frequency=5MHz, Test Frequency=100kHz, Case/Package=2525, Contact Plating=Tin, Core Material=Metal, Depth=6.72mm, Height=3mm, Height - Seated (Max)=0.118inch, Lead Free="Lead Free", Length=7.24mm, Military Standard=Not, Mount="Surface Mount", Number of Pins=2, Packaging="Tape and Reel", Radiation Hardening=No, RMS Current (Irms)=5.5A, Saturation Current=10A, Shielding=Shielded, Termination=SMD/SMT, Tolerance=20%, Width=0.255inch
L5: library part SRN8040-3R3Y, "Inductor", Manufacturer_Name=Bourns, Datasheet Link=http://www.bourns.com/data/global/pdfs/SRN8040.pdf, Manufacturer_Part_Number=SRN8040-3R6Y, Mouser Part Number=SRN8040-3R6Y
L6: "Inductor Power Chip Shielded Multi-Layer 2.2uH 20% 1MHz Ferrite 1.3A 100mOhm DCR 1008 T/R"
MTG1 MTG2 MTG3 MTG4 MTG6: library part MTG3MM
P1: library part CMP-03913-122473367-2, "62132021021 Conn, Header, 20Pos, 2Row, 1.27Mm Rohs Compliant: Yes", NexarPartId=122473367
P2: library part CMP-03913-122473373-2, "62134021021 Conn, Header, 40Pos, 2Row, 1.27Mm Rohs Compliant: Yes", NexarPartId=122473373
PS1: "60W DC/DC-Converter 'POWERLINE' 2 x1 1.5kV reg 4: ; V. In: 9-36; V. Out: 12; mA. Out: 5000", Manufacturer=Recom, Supplier Part Number 1=945-2958-ND, Category="Board Mount Modules", ComponentLink1Description=https://datasheet.octopart.com/RPA60-2412SFW-P-Recom-Power-datasheet-67314772.pdf?src-supplier=Newark, ComponentLink1URL=https://datasheet.octopart.com/RPA60-2412SFW-P-Recom-Power-datasheet-67314772.pdf?src-supplier=Newark, ComponentLink2Description=https://www.recom-power.com/pdf/Powerline-DC-DC/RPA60-FW.pdf?src-supplier=Digikey, ComponentLink2URL=https://www.recom-power.com/pdf/Powerline-DC-DC/RPA60-FW.pdf?src-supplier=Digikey, ComponentLink3Description=https://datasheet.octopart.com/RPA60-2412SFW-P-Recom-Power-datasheet-68305293.pdf?src-supplier=Sager+Electronics, ComponentLink3URL=https://datasheet.octopart.com/RPA60-2412SFW-P-Recom-Power-datasheet-68305293.pdf?src-supplier=Sager+Electronics, Manufacturer Part Number=RPA60-2412SFW/P, Pricing 1="1=68.75, 5=66.14, 10=65.618, 25=63.5352, 50=60.4106, 100=56.2444 (USD)", RoHS=Yes, Stock 1=3612, Supplier 1=Digikey
Q1: library part IPD30N10S3L34ATMA1, "N-Channel 100 V 30A (Tc) 57W (Tc) Surface Mount PG-TO252-3-11", Manufacturer Part Number=IPD30N10S3L34ATMA1
Q2: library part CMP-1048-00631-1, "General Purpose Transistor, NPN Silicon, 3-Pin SOT-23, Pb-Free, Tape and Reel", Manufacturer="On Semiconductor", ComponentLink1Description="Manufacturer URL", ComponentLink1URL=http://www.onsemi.com/, ComponentLink2Description=Datasheet, ComponentLink2URL=http://www.onsemi.cn/pub_link/Collateral/MMBT3904LT1-D.PDF, ComponentLink3Description="Package Specification", ComponentLink3URL=http://www.onsemi.cn/pub_link/Collateral/318-08.PDF, DatasheetVersion="Rev. 12", fT Min (MHz)=300, IC Continuous (A)=0.2, Mounting Technology="Surface Mount", PackageDescription="3-Pin Small Outline Transistor, Body 2.92 x 1.3 mm, Pitch 0.95 mm", PackageReference=SOT-23-3-318-08, PackageVersion="Rev. AP, 11/2009", Packing="Tape and Reel", PartNumber=MMBT3904LT1G, Polarity=NPN, RoHS=TRUE
R1 R2 R16 R17 R21 R22 R31 R33 R40 R41 R69 R70 R72 R80 R81 R104 R106 R108 R110 R128 R130 R137: library part HCJ0402ZT0R00, "RES 0 OHM JUMPER 1/8W 0402", Device Package="0402 (1005 Metric)", Manufacturer="Stackpole Electronics Inc", Operating Temperature="-55°C ~ 155°C", Power (Watts)="0.125W, 1/8W", Ratings=AEC-Q200, Supplier Device Package=0402, Supplier Part Number 1=HCJ0402ZT0R00CT-ND, Tolerance=Jumper, ComponentLink1Description=Datasheet, ComponentLink1URL=https://www.seielect.com/catalog/sei-hcj.pdf, ComponentLink2Description="DigiKey Link", ComponentLink2URL=https://www.digikey.com/en/products/detail/stackpole-electronics-inc/HCJ0402ZT0R00/4357659, Composition="Metal Foil", Features="Automotive AEC-Q200", Height - Seated (Max)="0.018\" (0.45mm)", LastUpdated="2/9/2024 8:29:49 PM", Lifecycle Status=Active, Minimum Order=1, Number of Terminations=2, Package / Case="0402 (1005 Metric)", Packaging=TapeAndReel, Part Number=HCJ0402ZT0R00, Part Status=Active, PartId=12327, Price=0.07, Resistance="0 Ohms", series=HCJ, Size / Dimension="0.039\" L x 0.020\" W (1.00mm x 0.50mm)", Supplier 1=DigiKey
R3 R107: library part WSLP20102L500FEA, "Resistor", Manufacturer_Name=Vishay, Mouser Part Number=N/A, Datasheet Link=https://www.vishay.com/doc?30122, Height=0.889mm, Manufacturer_Part_Number=WSLP20102L500FEA, Mouser Price/Stock=https://www.mouser.co.uk/ProductDetail/Vishay-Dale/WSLP20102L500FEA?qs=%2FCXICPRLKg%252BjdjH3wDEueQ%3D%3D